# Altium PCB CHAHARDOLI-7 ADAD METAL.PcbDoc (part 8 of 11)
Units mm, origin at the board's own origin, x right, y up, seen from the top; angles counter-clockwise.
Board outline 151 x 86.38 mm, 2 copper layers (Top Layer, Bottom Layer); 1496 components, 81 nets, 3725 pads, 848 vias.
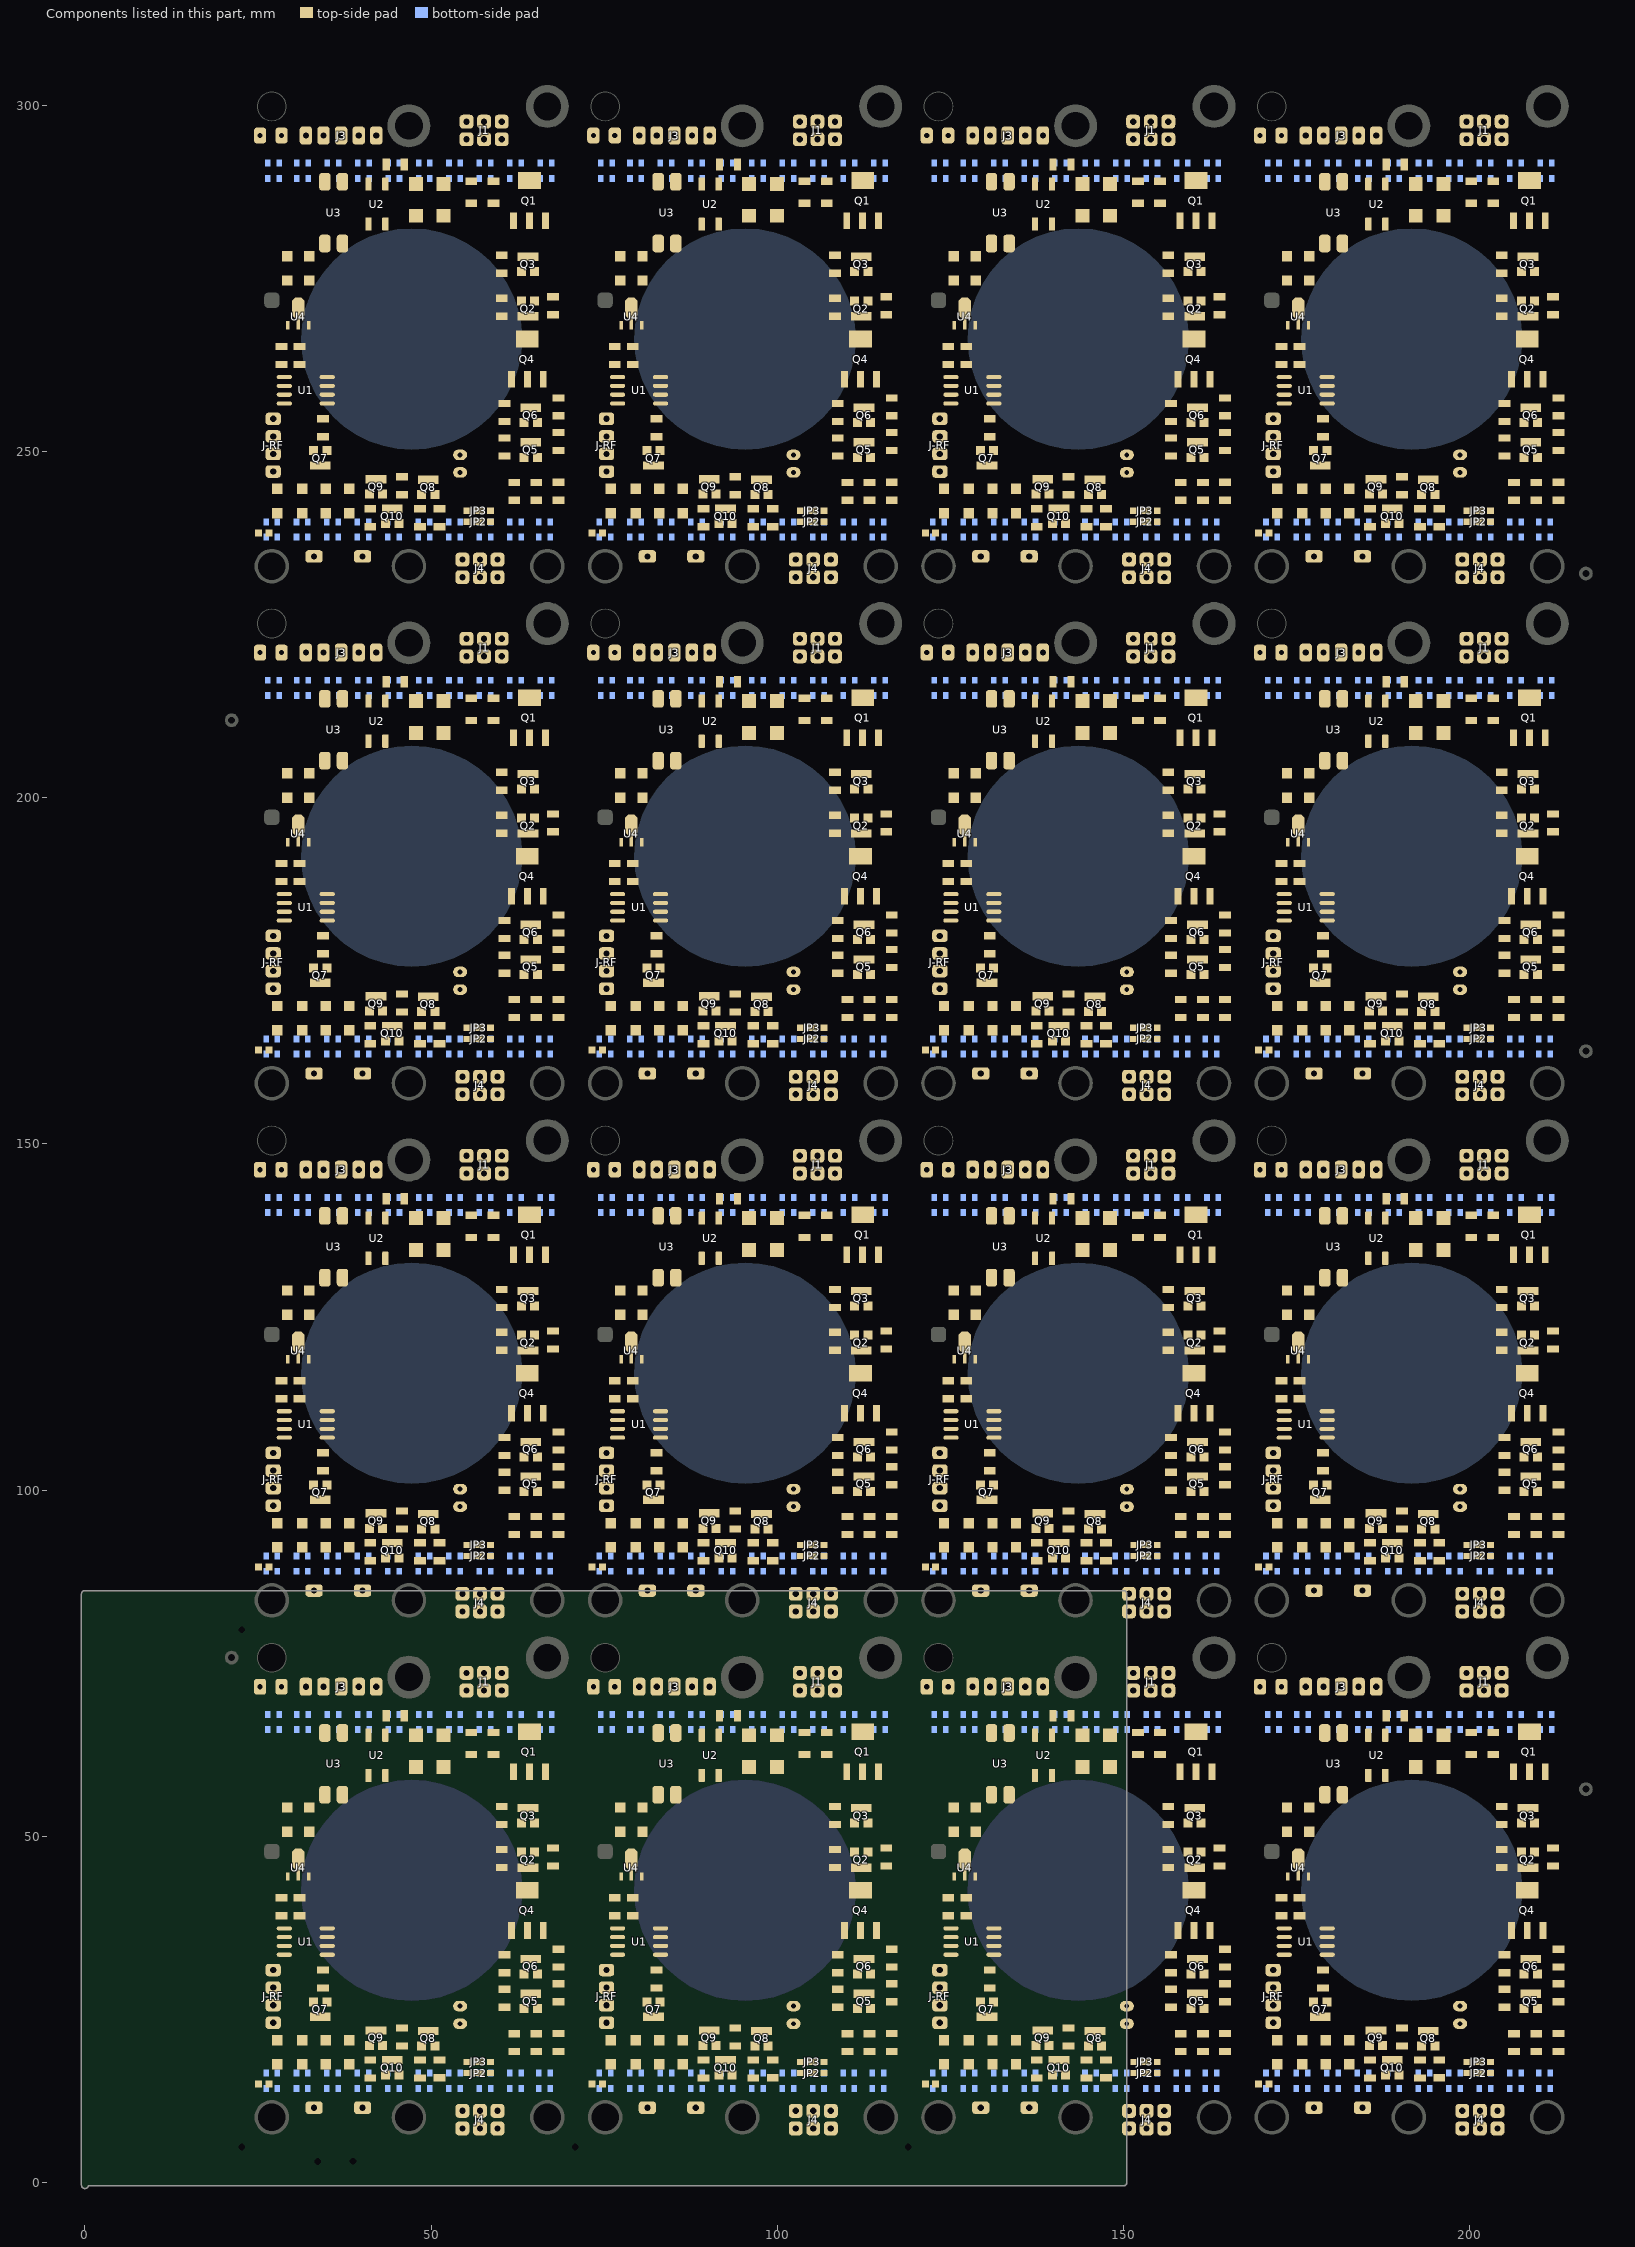
[diagram p8: the components of this part, seen from the top]

## Via types
v1: diameter 1.2, hole 0.6, Top Layer to Bottom Layer, tented both sides, 464 vias
v2: diameter 0.9, hole 0.6, Top Layer to Bottom Layer, tented both sides, 128 vias
v3: diameter 1, hole 0.6, Top Layer to Bottom Layer, tented both sides, 128 vias
v4: diameter 1.27, hole 0.6, Top Layer to Bottom Layer, tented both sides, 112 vias
v5: diameter 1.27, hole 0.711, Top Layer to Bottom Layer, tented both sides, 16 vias

## Nets (pads, with @x,y where several pads share a name; then routed paths per layer and width w, separated by ;. In a path a pad name is that pad's centre, name@x,y a point inside that pad or via, vN(x,y) a via of type N, cw(c..) or ccw(c..) an arc to the next point about the centre after c; other vN are vias at no path point) (continued)
copper on no net: (continued)
  Top Layer w0.5: 204.035,10.34 204.389,10.694 204.389,11.754 206.635,14 211.035,14 212.635,15.6 212.635,18.705 212.835,18.905 ; 204.035,85.028 204.389,85.382 204.389,86.442 206.635,88.688 211.035,88.688 212.635,90.288 212.635,93.393 212.835,93.593 ; 204.035,159.716 204.389,160.07 204.389,161.13 206.635,163.376 211.035,163.376 212.635,164.976 212.635,168.081 212.835,168.281 ; 204.035,234.404 204.389,234.758 204.389,235.818 206.635,238.064 211.035,238.064 212.635,239.664 212.635,242.769 212.835,242.969 ; 204.59,25.2 207.41,25.2 207.485,25.125 207.885,25.125 ; 204.59,99.888 207.41,99.888 207.485,99.813 207.885,99.813 ; 204.59,174.576 207.41,174.576 207.485,174.501 207.885,174.501 ; 204.59,249.264 207.41,249.264 207.485,249.189 207.885,249.189 ; 204.635,48.101 204.96,48.101 205.235,48.376 205.235,48.6 207.403,50.768 207.403,51.843 207.485,51.925 ; 204.635,122.789 204.96,122.789 205.235,123.064 205.235,123.288 207.403,125.456 207.403,126.531 207.485,126.613 ; 204.635,197.477 204.96,197.477 205.235,197.752 205.235,197.976 207.403,200.144 207.403,201.219 207.485,201.301 ; 204.635,272.165 204.96,272.165 205.235,272.44 205.235,272.664 207.403,274.832 207.403,275.907 207.485,275.989 ; 204.666,54.23 204.89,54.23 205.235,54.576 205.235,54.8 206.435,56 206.435,59 ; 204.666,128.919 204.89,128.919 205.235,129.264 205.235,129.488 206.435,130.688 206.435,133.688 ; 204.666,203.607 204.89,203.607 205.235,203.952 205.235,204.176 206.435,205.376 206.435,208.376 ; 204.666,278.295 204.89,278.295 205.235,278.64 205.235,278.864 206.435,280.064 206.435,283.064 ; 204.835,32.8 205.461,32.8 205.635,32.626 205.635,32.375 207.635,30.375 207.885,30.125 ; 204.835,107.488 205.461,107.488 205.635,107.314 205.635,107.063 207.635,105.063 207.885,104.813 ; 204.835,182.176 205.461,182.176 205.635,182.002 205.635,181.751 207.635,179.751 207.885,179.501 ; 204.835,256.864 205.461,256.864 205.635,256.69 205.635,256.439 207.635,254.439 207.885,254.189 ; 205.023,51.768 205.235,51.98 206.981,53.725 207.185,53.725 207.185,54.125 ; 205.023,126.456 205.235,126.668 206.981,128.413 207.185,128.413 207.185,128.813 ; 205.023,201.144 205.235,201.356 206.981,203.101 207.185,203.101 207.185,203.501 ; 205.023,275.832 205.235,276.044 206.981,277.789 207.185,277.789 207.185,278.189 ; 205.052,28 204.882,28.17 204.065,28.17 203.235,29 203.235,34.2 204.235,35.2 204.235,37.8 205.635,39.2 205.635,44.937 205.342,45.23 205.235,45.23 205.16,45.305 205.16,45.505 209.504,45.505 ; 205.052,102.688 204.882,102.859 204.065,102.859 203.235,103.688 203.235,108.888 204.235,109.888 204.235,112.488 205.635,113.888 205.635,119.625 205.342,119.918 205.235,119.918 205.16,119.993 205.16,120.193 209.504,120.193 ; 205.052,177.376 204.882,177.547 204.065,177.547 203.235,178.376 203.235,183.576 204.235,184.576 204.235,187.176 205.635,188.576 205.635,194.313 205.342,194.606 205.235,194.606 205.16,194.681 205.16,194.881 209.504,194.881 ; 205.052,252.064 204.882,252.235 204.065,252.235 203.235,253.064 203.235,258.264 204.235,259.264 204.235,261.864 205.635,263.264 205.635,269.001 205.342,269.294 205.235,269.294 205.16,269.369 205.16,269.569 209.504,269.569 ; 205.465,30.2 205.635,30.03 207.585,28.08 207.585,27.225 207.853,26.957 210.678,26.957 211.528,26.107 212.928,26.107 213.035,26 ; 205.465,104.888 205.635,104.718 207.585,102.768 207.585,101.913 207.853,101.645 210.678,101.645 211.528,100.795 212.928,100.795 213.035,100.688 ; 205.465,179.576 205.635,179.406 207.585,177.456 207.585,176.601 207.853,176.333 210.678,176.333 211.528,175.483 212.928,175.483 213.035,175.376 ; 205.465,254.264 205.635,254.094 207.585,252.144 207.585,251.289 207.853,251.021 210.678,251.021 211.528,250.171 212.928,250.171 213.035,250.064 ; 206.235,35.971 206.285,35.921 206.285,34.911 207.864,33.332 207.864,32.625 208.471,32.018 210.853,32.018 212.235,33.4 212.235,33.426 212.263,33.453 212.289,33.453 ; 206.235,110.659 206.285,110.609 206.285,109.599 207.864,108.02 207.864,107.313 208.471,106.706 210.853,106.706 212.235,108.088 212.235,108.114 212.263,108.141 212.289,108.141 ; 206.235,185.347 206.285,185.297 206.285,184.287 207.864,182.708 207.864,182.001 208.471,181.394 210.853,181.394 212.235,182.776 212.235,182.802 212.263,182.83 212.289,182.83 ; 206.235,260.035 206.285,259.985 206.285,258.975 207.864,257.396 207.864,256.689 208.471,256.082 210.853,256.082 212.235,257.464 212.235,257.49 212.263,257.518 212.289,257.518 ; v1(206.435,166.976) 206.435,168.276 ; v1(206.435,241.664) 206.435,242.964 ; v1(206.435,17.6) 206.435,18.899 ; v1(206.435,92.288) 206.435,93.588 ; 207.035,78.8 169.235,78.8 168.035,77.6 168.035,6.293 168.328,6 213.635,6 214.435,6.8 214.435,8.145 214.435,17.4 ; 207.035,153.488 169.235,153.488 168.035,152.288 168.035,80.981 168.328,80.688 213.635,80.688 214.435,81.488 214.435,82.833 214.435,92.088 ; 207.035,228.176 169.235,228.176 168.035,226.976 168.035,155.669 168.328,155.376 213.635,155.376 214.435,156.176 214.435,157.521 214.435,166.776 ; 207.035,302.864 169.235,302.864 168.035,301.664 168.035,230.357 168.328,230.064 213.635,230.064 214.435,230.864 214.435,232.21 214.435,241.464 ; v1(207.655,23.381) 207.844,23.381 208.225,23 210.468,23 212.001,21.467 212.169,21.467 ; v1(207.655,98.069) 207.844,98.069 208.225,97.688 210.468,97.688 212.001,96.155 212.169,96.155 ; v1(207.655,172.757) 207.844,172.757 208.225,172.376 210.468,172.376 212.001,170.843 212.169,170.843 ; v1(207.655,247.445) 207.844,247.445 208.225,247.064 210.468,247.064 212.001,245.531 212.169,245.531 ; 209.035,76.952 209.787,76.952 209.835,77 ; 209.035,151.64 209.787,151.64 209.835,151.688 ; 209.035,226.328 209.787,226.328 209.835,226.376 ; 209.035,301.016 209.787,301.016 209.835,301.064 ; 209.085,51.825 209.26,51.825 209.51,52.075 209.535,52.075 209.635,52.175 209.635,52.2 211.835,54.4 v1(211.835,56) ; 209.085,126.513 209.26,126.513 209.51,126.763 209.535,126.763 209.635,126.863 209.635,126.888 211.835,129.088 v1(211.835,130.688) ; 209.085,201.201 209.26,201.201 209.51,201.451 209.535,201.451 209.635,201.551 209.635,201.576 211.835,203.776 v1(211.835,205.376) ; 209.085,275.889 209.26,275.889 209.51,276.139 209.535,276.139 209.635,276.239 209.635,276.264 211.835,278.464 v1(211.835,280.064) ; 209.369,18.765 209.435,18.699 v1(209.435,17.6) ; 209.369,93.453 209.435,93.388 v1(209.435,92.288) ; 209.369,168.142 209.435,168.076 v1(209.435,166.976) ; 209.369,242.83 209.435,242.764 v1(209.435,241.664) ; 209.635,47.975 209.66,48 211.41,48 211.71,48.301 212.035,48.301 ; 209.635,122.663 209.66,122.688 211.41,122.688 211.71,122.989 212.035,122.989 ; 209.635,197.351 209.66,197.376 211.41,197.376 211.71,197.677 212.035,197.677 ; 209.635,272.039 209.66,272.064 211.41,272.064 211.71,272.365 212.035,272.365 ; 209.785,25.125 210.376,24.534 210.712,24.534 211.046,24.2 v1(211.235,24.2) ; 209.785,99.813 210.376,99.222 210.712,99.222 211.046,98.888 v1(211.235,98.888) ; 209.785,174.501 210.376,173.91 210.712,173.91 211.046,173.576 v1(211.235,173.576) ; 209.785,249.189 210.376,248.598 210.712,248.598 211.046,248.264 v1(211.235,248.264) ; 209.835,30.2 210.035,30 210.035,29.843 210.635,29.243 v1(210.635,29.2) ; 209.835,104.888 210.035,104.688 210.035,104.531 210.635,103.931 v1(210.635,103.888) ; 209.835,179.576 210.035,179.376 210.035,179.219 210.635,178.619 v1(210.635,178.576) ; 209.835,254.264 210.035,254.064 210.035,253.907 210.635,253.307 v1(210.635,253.264) ; v1(210.035,34.2) 210.578,34.743 210.578,36.343 210.635,36.4 ; v1(210.035,108.888) 210.578,109.431 210.578,111.031 210.635,111.088 ; v1(210.035,183.576) 210.578,184.119 210.578,185.719 210.635,185.776 ; v1(210.035,258.264) 210.578,258.807 210.578,260.407 210.635,260.464 ; 212.597,27.901 212.636,27.939 ; 212.597,102.589 212.635,102.627 ; 212.597,177.277 212.635,177.315 ; 212.597,251.965 212.635,252.003 ; 212.835,28.202 212.835,28.701 212.835,31.105 212.835,31.325 ; 212.835,102.89 212.835,103.389 212.835,105.793 212.835,106.014 ; 212.835,177.578 212.835,178.077 212.835,180.481 212.835,180.702 ; 212.835,252.266 212.835,252.765 212.835,255.169 212.835,255.39 ; 213.429,28.606 213.429,28.431 213.435,28.426 213.61,28.426 214.435,27.6 214.435,24.8 v1(213.435,23.8) ; 213.429,103.294 213.429,103.12 213.435,103.114 213.61,103.114 214.435,102.288 214.435,99.488 v1(213.435,98.488) ; 213.429,177.982 213.429,177.808 213.435,177.802 213.61,177.802 214.435,176.976 214.435,174.176 v1(213.435,173.176) ; 213.429,252.67 213.429,252.496 213.435,252.49 213.61,252.49 214.435,251.664 214.435,248.864 v1(213.435,247.864)
  Top Layer w0.6: 25.1,88.888 25,88.988 25,90.088 ; 25.1,163.576 25,163.676 25,164.776 ; 25.1,238.264 25,238.364 25,239.464 ; 27.2,105.168 26.88,105.488 25,105.488 ; 27.2,179.856 26.88,180.176 25,180.176 ; 27.2,254.544 26.88,254.864 25,254.864 ; 28.4,115.814 28.725,115.814 28.95,116.039 28.95,116.341 29,116.391 29,124.888 29.26,125.127 ccw(c28.663,125.07) 29.2,125.338 ; 28.4,190.502 28.725,190.502 28.95,190.727 28.95,191.029 29,191.079 29,199.576 29.26,199.815 ccw(c28.663,199.759) 29.2,200.026 ; 28.4,265.19 28.725,265.19 28.95,265.415 28.95,265.717 29,265.767 29,274.264 29.26,274.503 ccw(c28.663,274.447) 29.2,274.714 ; 31.2,115.888 28.8,115.888 28.4,115.888 28.101,115.589 27.701,115.589 25,112.888 25,105.488 ; 31.2,190.576 28.8,190.576 28.4,190.576 28.101,190.277 27.701,190.277 25,187.576 25,180.176 ; 31.2,265.264 28.8,265.264 28.4,265.264 28.101,264.965 27.701,264.965 25,262.264 25,254.864 ; v1@34.6,112.688 34.6,111.393 35,111.393 ; v1@34.6,187.376 34.6,186.081 35,186.081 ; v1@34.6,262.064 34.6,260.769 35,260.769 ; 53.93,97.521 53.93,89.618 52.2,87.888 44,87.888 43.15,87.038 43.15,83.238 42.2,82.288 37.8,82.288 35.6,84.488 35.6,87.888 34.2,89.288 29,89.288 28.2,90.088 25,90.088 ; 53.93,172.209 53.93,164.306 52.2,162.576 44,162.576 43.15,161.726 43.15,157.926 42.2,156.976 37.8,156.976 35.6,159.176 35.6,162.576 34.2,163.976 29,163.976 28.2,164.776 25,164.776 ; 53.93,246.897 53.93,238.994 52.2,237.264 44,237.264 43.15,236.414 43.15,232.614 42.2,231.664 37.8,231.664 35.6,233.864 35.6,237.264 34.2,238.664 29,238.664 28.2,239.464 25,239.464 ; 55.849,136.488 56.125,136.488 56.35,136.263 56.35,135.987 56.939,135.398 56.939,134.549 v4(57,134.488) ; 55.848,211.176 56.125,211.176 56.35,210.951 56.35,210.675 56.939,210.086 56.939,209.237 v4(57,209.176) ; 55.848,285.864 56.125,285.864 56.35,285.639 56.35,285.363 56.939,284.774 56.939,283.925 v4(57,283.864) ; 63.212,122.576 63.4,122.763 63.4,123.288 64.4,124.288 65.442,124.288 67.4,126.246 v1(67.4,126.288) ; 63.212,197.264 63.4,197.451 63.4,197.976 64.4,198.976 65.442,198.976 67.4,200.934 v1(67.4,200.976) ; 63.212,271.952 63.4,272.139 63.4,272.664 64.4,273.664 65.442,273.664 67.4,275.622 v1(67.4,275.664) ; 73.245,14.2 73.145,14.3 73.145,15.4 ; 73.245,88.888 73.145,88.988 73.145,90.088 ; 73.245,163.576 73.145,163.676 73.145,164.776 ; 73.245,238.264 73.145,238.364 73.145,239.464 ; 75.345,30.48 75.025,30.8 73.145,30.8 ; 75.345,105.168 75.025,105.488 73.145,105.488 ; 75.345,179.856 75.025,180.176 73.145,180.176 ; 75.345,254.544 75.025,254.864 73.145,254.864 ; 76.545,41.126 76.87,41.126 77.095,41.351 77.095,41.652 77.145,41.702 77.145,50.2 77.405,50.439 ccw(c76.808,50.382) 77.345,50.65 ; 76.545,115.814 76.87,115.814 77.095,116.039 77.095,116.341 77.145,116.391 77.145,124.888 77.405,125.127 ccw(c76.808,125.07) 77.345,125.338 ; 76.545,190.502 76.87,190.502 77.095,190.727 77.095,191.029 77.145,191.079 77.145,199.576 77.405,199.815 ccw(c76.808,199.759) 77.345,200.026 ; 76.545,265.19 76.87,265.19 77.095,265.415 77.095,265.717 77.145,265.767 77.145,274.264 77.405,274.503 ccw(c76.808,274.447) 77.345,274.714 ; 79.345,41.2 76.945,41.2 76.545,41.2 76.246,40.901 75.846,40.901 73.145,38.2 73.145,30.8 ; 79.345,115.888 76.945,115.888 76.545,115.888 76.246,115.589 75.846,115.589 73.145,112.888 73.145,105.488 ; 79.345,190.576 76.945,190.576 76.545,190.576 76.246,190.277 75.846,190.277 73.145,187.576 73.145,180.176 ; 79.345,265.264 76.945,265.264 76.545,265.264 76.246,264.965 75.846,264.965 73.145,262.264 73.145,254.864 ; v1@82.745,38 82.745,36.705 83.145,36.705 ; v1@82.745,112.688 82.745,111.393 83.145,111.393 ; v1@82.745,187.376 82.745,186.081 83.145,186.081 ; v1@82.745,262.064 82.745,260.769 83.145,260.769 ; 102.075,22.833 102.075,14.93 100.345,13.2 92.145,13.2 91.295,12.35 91.295,8.55 90.345,7.6 85.945,7.6 83.745,9.8 83.745,13.2 82.345,14.6 77.145,14.6 76.345,15.4 73.145,15.4 ; 102.075,97.521 102.075,89.618 100.345,87.888 92.145,87.888 91.295,87.038 91.295,83.238 90.345,82.288 85.945,82.288 83.745,84.488 83.745,87.888 82.345,89.288 77.145,89.288 76.345,90.088 73.145,90.088 ; 102.075,172.209 102.075,164.306 100.345,162.576 92.145,162.576 91.295,161.726 91.295,157.926 90.345,156.976 85.945,156.976 83.745,159.176 83.745,162.576 82.345,163.976 77.145,163.976 76.345,164.776 73.145,164.776 ; 102.075,246.897 102.075,238.994 100.345,237.264 92.145,237.264 91.295,236.414 91.295,232.614 90.345,231.664 85.945,231.664 83.745,233.864 83.745,237.264 82.345,238.664 77.145,238.664 76.345,239.464 73.145,239.464 ; 103.994,61.8 104.27,61.8 104.495,61.575 104.495,61.299 105.084,60.71 105.084,59.861 v4(105.145,59.8) ; 103.994,136.488 104.27,136.488 104.495,136.263 104.495,135.987 105.084,135.398 105.084,134.549 v4(105.145,134.488) ; 103.994,211.176 104.27,211.176 104.495,210.951 104.495,210.675 105.084,210.086 105.084,209.237 v4(105.145,209.176) ; 103.994,285.864 104.27,285.864 104.495,285.639 104.495,285.363 105.084,284.774 105.084,283.925 v4(105.145,283.864) ; 111.358,47.888 111.545,48.075 111.545,48.6 112.545,49.6 113.587,49.6 115.545,51.558 v1(115.545,51.6) ; 111.358,122.576 111.545,122.763 111.545,123.288 112.545,124.288 113.587,124.288 115.545,126.246 v1(115.545,126.288) ; 111.358,197.264 111.545,197.451 111.545,197.976 112.545,198.976 113.587,198.976 115.545,200.934 v1(115.545,200.976) ; 111.358,271.952 111.545,272.139 111.545,272.664 112.545,273.664 113.587,273.664 115.545,275.622 v1(115.545,275.664) ; 121.39,14.2 121.29,14.3 121.29,15.4 ; 121.39,88.888 121.29,88.988 121.29,90.088 ; 121.39,163.576 121.29,163.676 121.29,164.776 ; 121.39,238.264 121.29,238.364 121.29,239.464 ; 123.49,30.48 123.17,30.8 121.29,30.8 ; 123.49,105.168 123.17,105.488 121.29,105.488 ; 123.49,179.856 123.17,180.176 121.29,180.176 ; 123.49,254.544 123.17,254.864 121.29,254.864 ; 124.69,41.126 125.015,41.126 125.24,41.351 125.24,41.652 125.29,41.702 125.29,50.2 125.551,50.439 ccw(c124.953,50.382) 125.49,50.65 ; 124.69,115.814 125.015,115.814 125.24,116.039 125.24,116.341 125.29,116.391 125.29,124.888 125.551,125.127 ccw(c124.953,125.07) 125.49,125.338 ; 124.69,190.502 125.015,190.502 125.24,190.727 125.24,191.029 125.29,191.079 125.29,199.576 125.551,199.815 ccw(c124.953,199.759) 125.49,200.026 ; 124.69,265.19 125.015,265.19 125.24,265.415 125.24,265.717 125.29,265.767 125.29,274.264 125.551,274.503 ccw(c124.953,274.447) 125.49,274.714 ; 127.49,41.2 125.09,41.2 124.69,41.2 124.391,40.901 123.991,40.901 121.29,38.2 121.29,30.8 ; 127.49,115.888 125.09,115.888 124.69,115.888 124.391,115.589 123.991,115.589 121.29,112.888 121.29,105.488 ; 127.49,190.576 125.09,190.576 124.69,190.576 124.391,190.277 123.991,190.277 121.29,187.576 121.29,180.176 ; 127.49,265.264 125.09,265.264 124.69,265.264 124.391,264.965 123.991,264.965 121.29,262.264 121.29,254.864 ; v1@130.89,38 130.89,36.705 131.29,36.705 ; v1@130.89,112.688 130.89,111.393 131.29,111.393 ; v1@130.89,187.376 130.89,186.081 131.29,186.081 ; v1@130.89,262.064 130.89,260.769 131.29,260.769 ; 150.22,22.833 150.22,14.93 148.49,13.2 140.29,13.2 139.44,12.35 139.44,8.55 138.49,7.6 134.09,7.6 131.89,9.8 131.89,13.2 130.49,14.6 125.29,14.6 124.49,15.4 121.29,15.4 ; 150.22,97.521 150.22,89.618 148.49,87.888 140.29,87.888 139.44,87.038 139.44,83.238 138.49,82.288 134.09,82.288 131.89,84.488 131.89,87.888 130.49,89.288 125.29,89.288 124.49,90.088 121.29,90.088 ; 150.22,172.209 150.22,164.306 148.49,162.576 140.29,162.576 139.44,161.726 139.44,157.926 138.49,156.976 134.09,156.976 131.89,159.176 131.89,162.576 130.49,163.976 125.29,163.976 124.49,164.776 121.29,164.776 ; 150.22,246.897 150.22,238.994 148.49,237.264 140.29,237.264 139.44,236.414 139.44,232.614 138.49,231.664 134.09,231.664 131.89,233.864 131.89,237.264 130.49,238.664 125.29,238.664 124.49,239.464 121.29,239.464 ; 152.139,61.8 152.415,61.8 152.64,61.575 152.64,61.299 153.229,60.71 153.229,59.861 v4(153.29,59.8) ; 152.139,136.488 152.415,136.488 152.64,136.263 152.64,135.987 153.229,135.398 153.229,134.549 v4(153.29,134.488) ; 152.139,211.176 152.415,211.176 152.64,210.951 152.64,210.675 153.229,210.086 153.229,209.237 v4(153.29,209.176) ; 152.139,285.864 152.415,285.864 152.64,285.639 152.64,285.363 153.229,284.774 153.229,283.925 v4(153.29,283.864) ; 159.503,47.888 159.69,48.075 159.69,48.6 160.69,49.6 161.733,49.6 163.69,51.558 v1(163.69,51.6) ; 159.503,122.576 159.69,122.763 159.69,123.288 160.69,124.288 161.732,124.288 163.69,126.246 v1(163.69,126.288) ; 159.503,197.264 159.69,197.451 159.69,197.976 160.69,198.976 161.732,198.976 163.69,200.934 v1(163.69,200.976) ; 159.503,271.952 159.69,272.139 159.69,272.664 160.69,273.664 161.732,273.664 163.69,275.622 v1(163.69,275.664) ; 169.535,14.2 169.435,14.3 169.435,15.4 ; 169.535,88.888 169.435,88.988 169.435,90.088 ; 169.535,163.576 169.435,163.676 169.435,164.776 ; 169.535,238.264 169.435,238.364 169.435,239.464 ; 171.635,30.48 171.315,30.8 169.435,30.8 ; 171.635,105.168 171.315,105.488 169.435,105.488 ; 171.635,179.856 171.315,180.176 169.435,180.176 ; 171.635,254.544 171.315,254.864 169.435,254.864 ; 172.835,41.126 173.16,41.126 173.385,41.351 173.385,41.652 173.435,41.702 173.435,50.2 173.696,50.439 ccw(c173.098,50.382) 173.635,50.65 ; 172.835,115.814 173.16,115.814 173.385,116.039 173.385,116.341 173.435,116.391 173.435,124.888 173.696,125.127 ccw(c173.098,125.07) 173.635,125.338 ; 172.835,190.502 173.16,190.502 173.385,190.727 173.385,191.029 173.435,191.079 173.435,199.576 173.696,199.815 ccw(c173.098,199.759) 173.635,200.026 ; 172.835,265.19 173.16,265.19 173.385,265.415 173.385,265.717 173.435,265.767 173.435,274.264 173.696,274.503 ccw(c173.098,274.447) 173.635,274.714 ; 175.635,41.2 173.235,41.2 172.835,41.2 172.536,40.901 172.136,40.901 169.435,38.2 169.435,30.8 ; 175.635,115.888 173.235,115.888 172.835,115.888 172.536,115.589 172.136,115.589 169.435,112.888 169.435,105.488 ; 175.635,190.576 173.235,190.576 172.835,190.576 172.536,190.277 172.136,190.277 169.435,187.576 169.435,180.176 ; 175.635,265.264 173.235,265.264 172.835,265.264 172.536,264.965 172.136,264.965 169.435,262.264 169.435,254.864 ; v1@179.035,38 179.035,36.705 179.435,36.705 ; v1@179.035,112.688 179.035,111.393 179.435,111.393 ; v1@179.035,187.376 179.035,186.081 179.435,186.081 ; v1@179.035,262.064 179.035,260.769 179.435,260.769 ; 198.365,22.833 198.365,14.93 196.635,13.2 188.435,13.2 187.585,12.35 187.585,8.55 186.635,7.6 182.235,7.6 180.035,9.8 180.035,13.2 178.635,14.6 173.435,14.6 172.635,15.4 169.435,15.4 ; 198.365,97.521 198.365,89.618 196.635,87.888 188.435,87.888 187.585,87.038 187.585,83.238 186.635,82.288 182.235,82.288 180.035,84.488 180.035,87.888 178.635,89.288 173.435,89.288 172.635,90.088 169.435,90.088 ; 198.365,172.209 198.365,164.306 196.635,162.576 188.435,162.576 187.585,161.726 187.585,157.926 186.635,156.976 182.235,156.976 180.035,159.176 180.035,162.576 178.635,163.976 173.435,163.976 172.635,164.776 169.435,164.776 ; 198.365,246.897 198.365,238.994 196.635,237.264 188.435,237.264 187.585,236.414 187.585,232.614 186.635,231.664 182.235,231.664 180.035,233.864 180.035,237.264 178.635,238.664 173.435,238.664 172.635,239.464 169.435,239.464 ; 200.284,61.8 200.56,61.8 200.785,61.575 200.785,61.299 201.374,60.71 201.374,59.861 v4(201.435,59.8) ; 200.284,136.488 200.56,136.488 200.785,136.263 200.785,135.987 201.374,135.398 201.374,134.549 v4(201.435,134.488) ; 200.284,211.176 200.56,211.176 200.785,210.951 200.785,210.675 201.374,210.086 201.374,209.237 v4(201.435,209.176) ; 200.284,285.864 200.56,285.864 200.785,285.639 200.785,285.363 201.374,284.774 201.374,283.925 v4(201.435,283.864) ; 207.648,47.888 207.835,48.075 207.835,48.6 208.835,49.6 209.878,49.6 211.835,51.558 v1(211.835,51.6) ; 207.648,122.576 207.835,122.763 207.835,123.288 208.835,124.288 209.878,124.288 211.835,126.246 v1(211.835,126.288) ; 207.648,197.264 207.835,197.451 207.835,197.976 208.835,198.976 209.878,198.976 211.835,200.934 v1(211.835,200.976) ; 207.648,271.952 207.835,272.139 207.835,272.664 208.835,273.664 209.878,273.664 211.835,275.622 v1(211.835,275.664) ; 25,90.088 25,105.488 ; 25,164.776 25,180.176 ; 25,239.464 25,254.864 ; 73.145,15.4 73.145,30.8 ; 73.145,90.088 73.145,105.488 ; 73.145,164.776 73.145,180.176 ; 73.145,239.464 73.145,254.864 ; 121.29,15.4 121.29,30.8 ; 121.29,90.088 121.29,105.488 ; 121.29,164.776 121.29,180.176 ; 121.29,239.464 121.29,254.864 ; 169.435,15.4 169.435,30.8 ; 169.435,90.088 169.435,105.488 ; 169.435,164.776 169.435,180.176 ; 169.435,239.464 169.435,254.864